# Allegro board MCU067B.brd (continued)
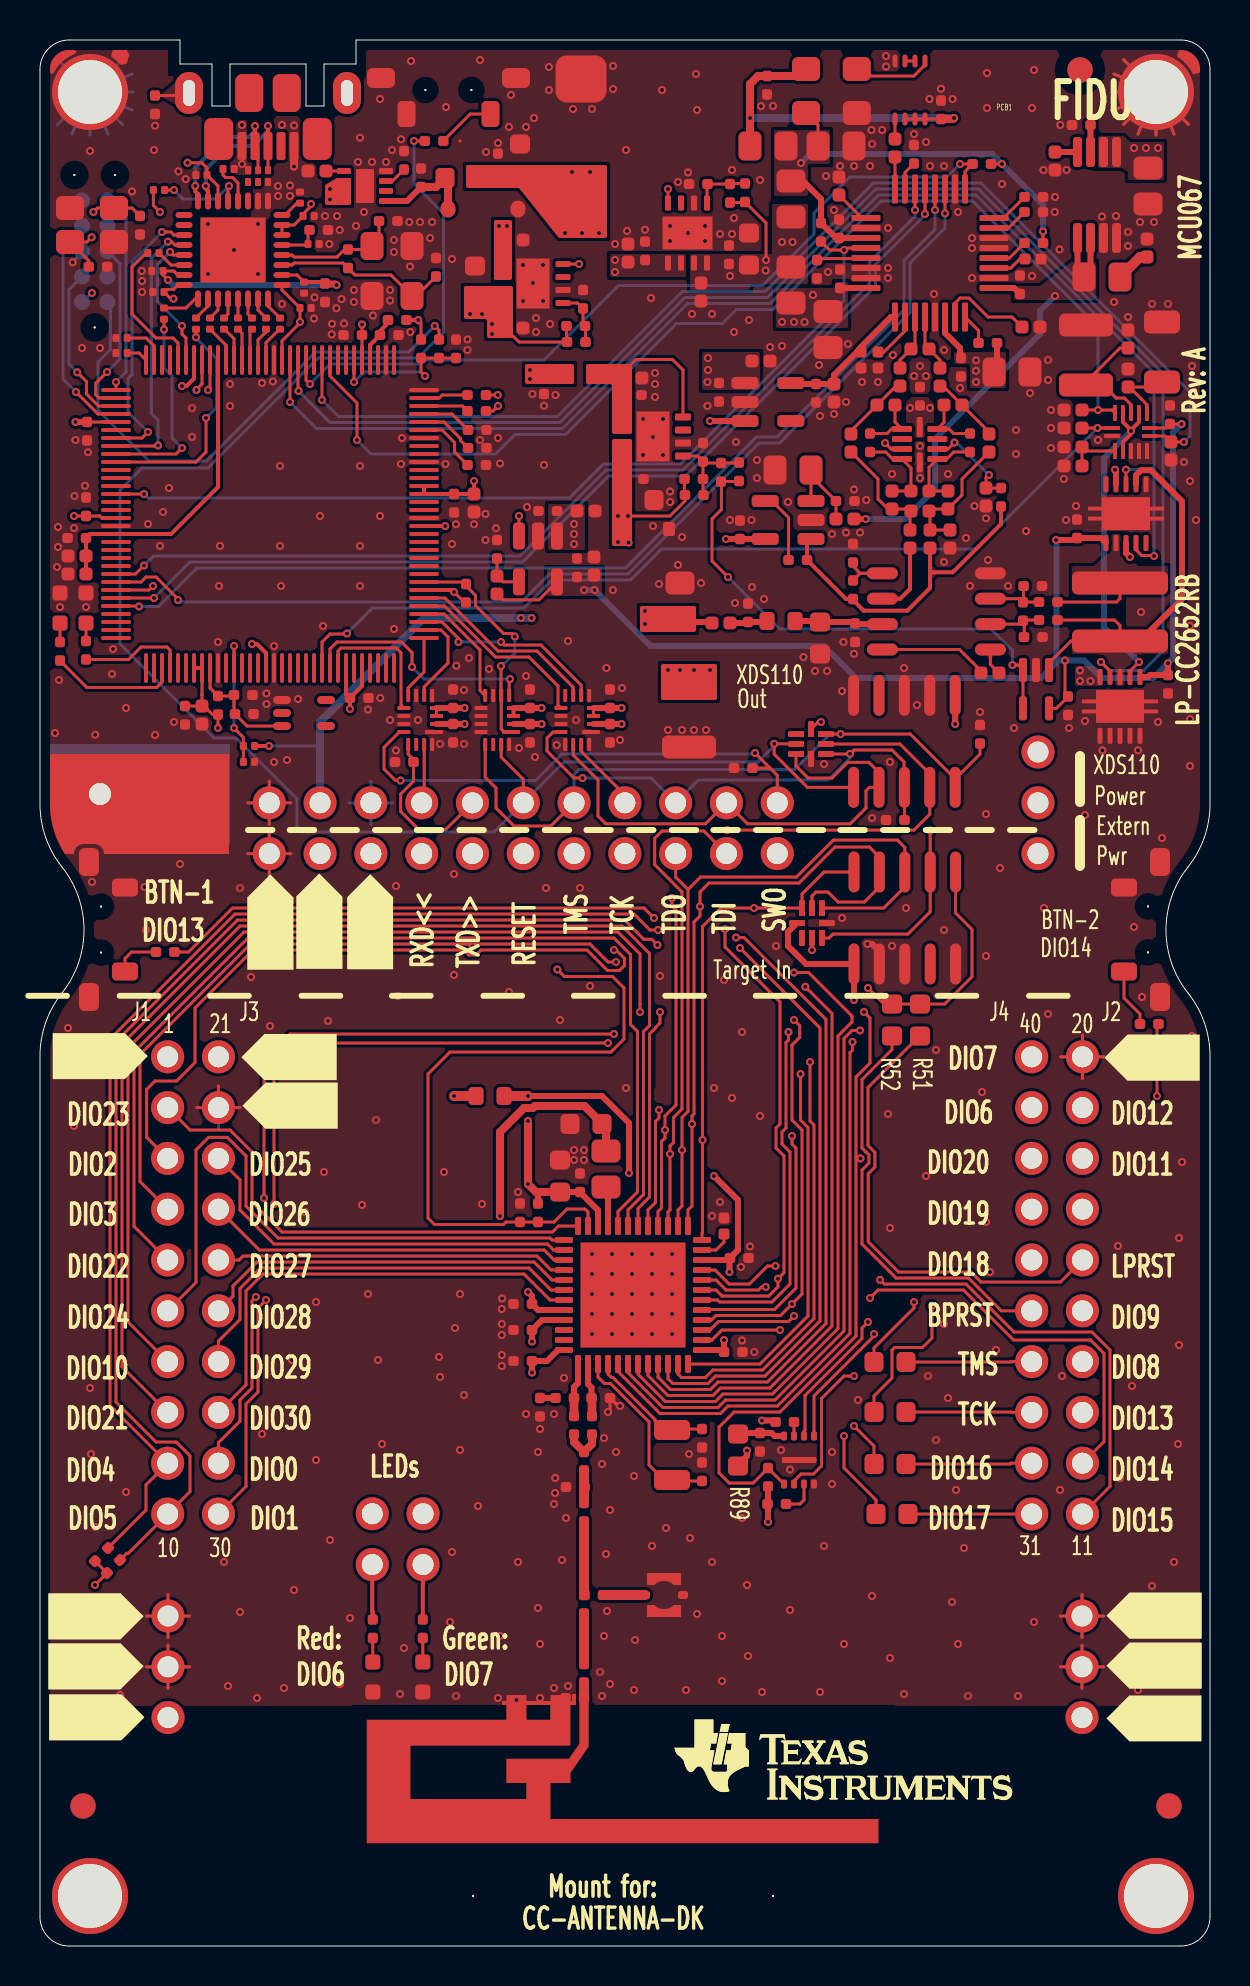
[diagram p0: board, top side]
## Routing (per net, layer and track width the routed paths; a pad name or vN(x,y) marks a point on that pad's centre or on a via; arc(x,y) is an arc through that point) (continued)
VBUS_DET: length 7.1
  TOP w0.15: v1(9.7,60.9) 10.17,60.43 R92.1 R93.1 ; v1(9.7,65) U5.12
  BOTTOM w0.15: v1(9.7,60.9) v1(9.7,65)
VDDC: length 15.8
  TOP w0.2: U5.87 8.9,72.95 6.55,70.6 U5.115 2.5,70.6 C43.1 C44.1 C45.1
VDDR: length 26.3
  TOP w0.3: U1.45 25.1,31.3 C106.1 v1(24.6,30.22) ; v1(24.6,28.67) C107.1 25.35,29.25 25.9,29.8 U1.48
  TOP w0.4: v1(23,36.5) 23,40.7 24.2,41.9 24.65,41.9 24.75,42 27.22,42 28.1,41.12 C105.1 28.3,40.9 L1.2
  L3 w0.4: 23.63,31.2 v1(24.6,30.22) ; 23.63,31.2 23.63,29.65 v1(24.6,28.67) ; 23.63,31.2 23.63,35.87 v1(23,36.5)
VDDS: length 43.5
  TOP w0.3: v1(24.4,32.7) 24.6,32.5 C102.1 24.9,31.8 U1.44 ; U1.13 34.1,29.8 C99.1 v1(34.2,30.3) ; R1.2 24.9,37.6 24.8,37.7 ; 25.9,37.7 C103.1 C104.1 27,37.69 27.9,36.79 U1.34 ; v1(29.45,38.65) 29.45,41.15 28.1,42.5 v1(24.4,42.5) ; 34.47,34.43 v1(34.47,33.7) ; 34.47,34.43 C101.1 34.9,34.8 34.9,37.3 v1(33.7,38.5) ; 34.47,34.43 34.35,34.3 U1.22
  TOP w0.4: 25.9,37.7 24.8,37.7 v1(24.4,38.1) v1(24.4,41.25)
  TOP w0.5: FL1.1 v1(24.4,42.5)
  L3 w0.3: v1(33.7,38.5) 30.18,38.5 30.03,38.65 v1(29.45,38.65) ; v1(34.47,33.7) 34.2,33.43 v1(34.2,30.3) ; v1(24.4,32.7) v1(24.4,38.1)
  L3 w0.4: v1(24.4,41.25) v1(24.4,42.5)
BP_RESET: length 21.2
  TOP w0.15: J2.11 48.07,31.76 46.93,32.9 46.93,32.9 46.43,33.4 42.8,33.4 41.1,35.1 41.1,38.8 41.44,39.15 41.44,39.56 41.3,39.7 41.3,39.7 41.1,39.9 41.1,43.32 42.6,44.82 R52.1
DCDC_SW: length 2
  TOP w0.3: L1.1 28.4,37.85 U1.33
DIO0: length 80.4
  TOP w0.15: U1.5 28.9,28.72 31,26.62 34.02,26.62 34.4,27 36.88,27 40.5,30.62 40.5,44.67 40.62,44.8 v1(40.62,45.2) ; v1(11.2,37.4) 11.2,44.3 12.5,45.6 v1(28.7,45.6) ; v1(10.79,32.45) 10.79,32.44 10.6,32.25 10.6,27.9 10,27.3 10,26.25 8.92,25.17 J1.18
  L3 w0.15: v1(11.2,37.4) 10.8,37 10.8,32.86 10.79,32.85 v1(10.79,32.45) ; v1(28.7,45.6) 29.1,45.6 29.5,45.2 v1(40.62,45.2)
DIO1: length 84.1
  TOP w0.15: v1(11.3,32.3) 10.9,31.9 10.9,27.7 10.3,27.1 10.3,22.98 J1.20 ; v1(41,45.78) 40.6,45.78 40.2,45.38 40.2,30.75 36.75,27.3 34.27,27.3 33.9,26.93 31.14,26.93 29.4,28.67 U1.6 ; v1(28.4,45.15) 12.55,45.15 11.7,44.3 v1(11.7,37.1)
  L3 w0.15: v1(41,45.78) 41.28,45.49 41.28,44.99 41,44.7 29.4,44.7 28.95,45.15 v1(28.4,45.15) ; v1(11.7,37.1) 11.3,36.7 v1(11.3,32.3)
DIO4_SCL: length 94.3
  TOP w0.15: U1.9 30.9,28.44 31.52,27.82 33.52,27.82 33.9,28.2 36.38,28.2 39.3,31.12 39.3,46.32 35.2,50.42 v1(34.8,50.42) ; R2.1 5.3,21.8 5.3,23.06 J1.17 3.5,27.02 3.5,45.1 3.5,45.35 9.75,51.6 29.7,51.6 30.5,50.8 v1(30.9,50.8)
  L3 w0.15: v1(34.8,50.42) 31.28,50.42 v1(30.9,50.8)
DIO5_SDA: length 93.9
  TOP w0.15: R3.1 4.34,19.64 4.42,19.64 J1.19 7.5,22.72 7.5,24.51 6.81,25.2 5.8,25.2 3.8,27.2 3.8,45.22 9.88,51.3 29.22,51.3 30.19,50.34 30.59,50.34 v1(30.87,50.05) ; U1.10 31.4,28.37 31.64,28.12 33.4,28.12 33.77,28.5 36.25,28.5 39,31.25 39,45.9 v1(35,49.9)
  L3 w0.15: v1(35,49.9) 34.52,49.9 34.37,50.05 v1(30.87,50.05)
DIO6_RLED: length 78.6
  TOP w0.15: U1.11 31.9,28.6 32.08,28.43 33.27,28.43 33.65,28.8 36.12,28.8 38.7,31.38 38.7,41.05 38.5,41.25 v1(38.5,44.2)
  L3 w0.15: J2.3 50.63,42.97 50.63,44.97 50,45.6 49.2,45.6 47.8,44.2 v1(38.5,44.2) 23.1,44.2 18.85,39.95 18.85,23.85 P6.2
DIO7_GLED: length 69.8
  TOP w0.15: U1.12 36,29.1 38.4,31.5 38.4,40.93 38.03,41.3 v1(38.03,43.6)
  L3 w0.15: J2.1 48.72,43.6 v1(38.03,43.6) 23,43.6 19.15,39.75 P6.4
DIO8_MISO: length 28.9
  TOP w0.15: v1(37,30.8) 34.1,30.8 34.02,30.72 33.6,30.3 U1.14 ; U4.2 37.7,23.25 38.05,23.6 38.68,23.6 39.07,24 39.07,27.38 40.2,28.5 v1(40.7,28.5)
  L3 w0.15: v1(37,30.8) 38.4,30.8 v1(40.7,28.5) 41.3,27.9 51.83,27.9 52.12,28.19 J2.14
DIO9_MOSI: length 26.5
  TOP w0.15: U1.15 33.5,30.8 33.93,31.22 37.43,31.22 v1(37.7,31.5) ; v1(41.7,30.6) 41.7,30.5 38.7,27.5 U4.5
  L3 w0.15: v1(37.7,31.5) 40.3,31.5 41.2,30.6 v1(41.7,30.6) 50.96,30.6 J2.12
DIO10_SCLK: length 86.7
  TOP w0.15: U4.6 38.2,25.74 38.25,25.79 38.25,27.53 41.1,30.38 41.1,30.9 v1(41.4,31.2) ; v1(30,46.7) 30,47.1 30,47.1 30,49.6 28.9,50.7 10.2,50.7 4.4,44.9 4.4,31.2 J1.13 ; v1(37.7,46.3) 37.99,46.01 37.99,45.43 37.6,45.05 37.6,41.3 38.1,40.8 38.1,32.6 v1(37.6,32.1) 37.03,31.53 33.8,31.53 33.57,31.3 U1.16
  L3 w0.15: v1(41.4,31.2) 40.5,32.1 v1(37.6,32.1) ; v1(37.7,46.3) 37.3,46.3 37.2,46.2 30.5,46.2 30.29,46.41 30.29,46.41 v1(30,46.7)
DIO11_CS: length 27.8
  TOP w0.15: U1.17 33.51,31.8 33.53,31.82 36.72,31.82 37.8,32.9 37.8,39.9 37.6,40.1 v1(37.6,40.5)
  L3 w0.15: J2.6 51,40.5 v1(37.6,40.5)
DIO12: length 35.7
  TOP w0.15: v1(37.43,45.7) 37.43,45.3 37.3,45.17 37.3,40.9 37.1,40.7 37.1,40.1 37.5,39.7 37.5,33.1 36.7,32.3 36.6,32.2 33.98,32.2 33.88,32.3 U1.18
  L3 w0.15: J2.4 50.93,43.11 50.93,45.27 50,46.2 38.54,46.2 38.04,45.7 v1(37.43,45.7)
DIO13_BTN1: length 77
  TOP w0.15: R56.2 7.43,49.7 9.62,51.9 30.2,51.9 v1(30.7,51.4) ; U1.19 33.8,32.8 34.1,32.5 36.44,32.5 36.9,32.96 v1(36.9,33.36) 37.2,33.66 37.2,39.5 36.8,39.9 36.8,40.9 37,41.1 37,47.2 34.25,49.95 v1(34.25,50.85)
  L3 w0.15: v1(30.7,51.4) 30.95,51.4 31.5,50.85 v1(34.25,50.85) ; J2.16 53.8,28.36 53.8,32.1 53,32.9 47.4,32.9 46.08,31.58 43.72,31.58 42.42,32.88 41.82,32.88 41.34,33.36 v1(36.9,33.36)
DIO14_BTN2: length 52.3
  TOP w0.15: v1(55.85,42.5) 55.85,46.03 R55.2 ; v1(41.5,32.4) 41.9,32.8 46.18,32.8 48.68,30.3 52.53,30.3 53.2,29.63 53.2,25.22 J2.18 ; v1(36.29,32.95) 36.3,32.95 36.3,32.94 36.06,32.94 35.93,32.8 34.3,32.8 34.3,32.8 33.8,33.3 U1.20
  L3 w0.15: v1(55.85,42.5) 55.85,26.6 53.39,24.14 J2.18 ; v1(36.29,32.95) 36.69,32.95 36.94,32.7 41.2,32.7 v1(41.5,32.4)
DIO15: length 31.6
  TOP w0.15: J2.20 53.5,22.98 53.5,29.8 52.6,30.7 48.7,30.7 46.3,33.1 42.21,33.1 v1(42,33.31) ; U1.21 33.75,33.8 34.45,33.1 35.47,33.1 36.37,34 v1(36.78,34)
  L3 w0.15: v1(42,33.31) 41.72,33.59 41.71,33.59 41.3,34 v1(36.78,34)
DIO16_TDO: length 58.9
  TOP w0.15: v1(40.7,26) 41.7,25 R48.2 ; U1.26 31.9,36.8 32.1,37 v1(32.1,39.8) 32.1,41.43 32.4,41.73 32.4,52.82 ; P4.6 31.78,53.44 32.4,52.82 ; 32.4,52.82 33.03,53.45 37.82,53.45 39.68,55.3 42.87,55.3 43.24,54.93 P5.6 43.24,52.95 42.19,51.9 CR8.5
  L3 w0.15: v1(32.1,39.8) 33.43,39.8 36.5,36.73 36.5,34.37 35.5,33.37 35.5,31.6 40.7,26.4 v1(40.7,26)
DIO17_TDI: length 69.1
  TOP w0.15: R49.2 41.8,22.3 40.2,23.9 v1(40.2,25.5) ; CR8.3 39.45,50.4 39.65,50.6 43.4,50.6 44.51,51.71 P5.8 v1(44.51,55.78) ; U1.27 31.4,36.7 31.5,36.8 v1(31.5,39.6) 31.5,40 31.68,40.18 31.68,41.43 32.1,41.85 32.1,52.7 30.73,54.07 30.73,55.38 31.1,55.75 33.19,55.75 P4.4
  L3 w0.15: P4.4 35.48,55.78 v1(44.51,55.78) ; v1(31.5,39.6) 32.18,38.93 33.88,38.93 36,36.8 36,34.3 35.1,33.4 35.1,31.3 40.2,26.2 v1(40.2,25.5)
DIO19_CTS: length 27
  TOP w0.15: v1(30.95,41.8) 30.95,41.4 30.78,41.22 30.78,37.18 30.4,36.8 U1.29
  L3 w0.15: J2.7 38.86,36.84 33.62,42.09 31.24,42.09 v1(30.95,41.8)
DIO20_FLASH_CS: length 62
  TOP w0.15: 40.8,39.4 40.8,30.5 37,26.7 34.71,26.7 33.95,25.94 33.95,23.66 34.46,23.15 35.66,23.15 36.4,23.89 36.4,23.9 ; 40.8,39.4 40.82,39.38 v1(41.02,39.38) ; 40.8,39.4 40.8,43.45 41.5,44.15 41.5,46.4 v1(41.2,46.7) ; 36.4,23.9 36.81,23.48 36.82,23.48 U4.1 ; 36.4,23.9 R11.1 ; U1.30 29.9,36.88 30.47,37.45 30.47,45.6 30.78,45.9 30.78,45.92 31,46.15 v1(31,46.7)
  L3 w0.15: J2.5 v1(41.02,39.38) ; v1(41.2,46.7) 40.8,46.7 40.67,46.82 31.53,46.82 31.4,46.7 v1(31,46.7)
DIO21: length 62.8
  TOP w0.15: U1.31 29.4,36.8 30.18,37.57 30.18,45.72 30.47,46.03 30.47,49.62 29.1,51 10,51 4.1,45.1 4.1,28.96 J1.15
DIO22: length 52.7
  TOP w0.15: U1.32 28.9,36.72 29.88,37.7 29.88,45.72 29.53,46.07 29.53,49.57 28.7,50.4 10.4,50.4 4.7,44.7 4.7,35.98 J1.9
DIO23_ANALOG: length 24.7
  TOP w0.15: U1.36 25.93,36 25.62,35.7 12.1,35.7 10.6,37.2 10.6,39.7 9.5,40.8 7.5,40.8 J1.3
DIO24_ANALOG: length 30.9
  TOP w0.15: J1.11 7.8,33.18 7.8,39.8 8.43,40.43 9.37,40.43 10.3,39.5 10.3,37 11.9,35.4 25.5,35.4 25.6,35.3 U1.37
DIO25_ANALOG: length 20.1
  TOP w0.15: J1.6 10,38.3 10,36.8 11.7,35.1 25.38,35.1 25.68,34.8 U1.38
DIO26_ANALOG: length 18.3
  TOP w0.15: U1.39 25.71,34.3 25.21,34.8 10.96,34.8 J1.8
DIO27_ANALOG: length 17.6
  TOP w0.15: U1.40 25.55,33.8 24.85,34.5 10.15,34.5 9.95,34.3 J1.10
DIO28_ANALOG: length 19
  TOP w0.15: J1.12 9.65,32.49 9.65,33 10.85,34.2 24.7,34.2 25.6,33.3 U1.41
DIO29_ANALOG: length 21.2
  TOP w0.15: J1.14 8.92,30.25 10,31.32 10,32.88 11.03,33.9 24.45,33.9 25.55,32.8 U1.42
DIO30_ANALOG: length 23.4
  TOP w0.15: U1.43 25.5,32.3 24.2,33.6 11.15,33.6 10.3,32.75 10.3,28.06 J1.16
ET_1V8: length 7
  TOP w0.3: U43.5 37.59,78.1 C158.1 C159.1 39.7,78.55 40.85,79.7 C128.1 41.05,79.95 42.55,81.45 U35.1
ET_3V3: length 7
  TOP w0.15: v1(36.3,84.3) 36.3,86.15 C153.1 35.23,87.18 R132.2 ; v1(42.26,75.15) 42.56,74.85 U37.3
  TOP w0.3: U41.5 C141.1 v1(34.3,70.35)
  vias: v1(34.5,83.5) v1(36.28,83.77) v1(37.1,85.2) v1(37.63,85.2) v1(43.5,76.9) v1(44.5,76.9) v1(54.7,89.9) v1(55.3,89.9) v1(55.9,89.9)
ET_5V0: length 4.4
  TOP w0.15: 38.95,66.25 C165.1 ; 40.67,66.2 C125.2
  TOP w0.3: FL4.1 38.95,66.25 ; 42.12,66.1 40.78,66.1 C125.2 ; C165.1 40.67,66.2
ET_AVDD: length 5.2
  TOP w0.3: U35.6 45.25,80.65 46,79.9 46,79.45 C119.1 ; C122.1 47.85,78.85 R98.1 ; U35.32 C120.1
  vias: v1(37.1,81.2) v1(37.7,81.2) v1(38.23,81.2) v1(38.65,82.55) v1(46.8,79.29) v1(46.8,78.76) v1(46.8,78.2)
ET_BYPASS: length 67
  TOP w0.15: v1(55.7,69.5) 55.68,69.52 55.08,69.52 54.8,69.81 U33.4 ; U33.8 v1(54.3,73.82) ; U5.78 v1(12.5,77.2)
  BOTTOM w0.15: v1(12.5,77.2) 13.82,75.88 26.13,75.88 32.38,82.12 36.51,82.12 37.61,83.22 37.61,83.23 41.93,87.55 46.8,87.55 55.7,78.65 55.7,73.8 ; 55.7,73.8 55.68,73.82 v1(54.3,73.82) ; 55.7,73.8 v1(55.7,69.5)
ET_CAL0: length 59.4
  TOP w0.15: U39.13 56.25,75.5 R129.1 v1(57.2,75.2) ; v1(14.1,77.3) U5.74
  BOTTOM w0.15: v1(14.1,77.3) 14.93,76.48 25.88,76.48 32.13,82.73 36.25,82.73 36.57,83.05 36.59,83.05 37.01,83.47 37.01,83.48 41.68,88.15 47.05,88.15 57.5,77.7 57.5,75.5 v1(57.2,75.2)
ET_CAL1: length 55.6
  TOP w0.15: R128.1 v1(52.9,76.8) 53.6,76.8 U39.5 ; v1(15.85,75.3) 15.85,77.15 14.5,78.5 U5.73
  BOTTOM w0.15: v1(52.9,76.8) 52.9,80.98 46.63,87.25 42.05,87.25 37.91,83.11 37.91,83.1 36.64,81.82 34.82,81.82 34.12,81.12 31.82,81.12 26.28,75.57 23.75,75.57 22.78,74.6 16.55,74.6 v1(15.85,75.3)
ET_CAL2: length 46
  TOP w0.15: U39.6 v1(52.88,75.9) R127.1 ; v1(15.35,65.62) 15.32,65.6 14.5,65.6 14.1,65.2 U5.23
  BOTTOM w0.15: v1(15.35,65.62) 16.62,66.9 24.2,66.9 25.6,68.3 29.53,68.3 31.08,69.85 46.83,69.85 v1(52.88,75.9)
ET_CALIBRATE: length 72.6
  TOP w0.15: v1(53.05,64.2) 53.5,63.75 U38.4 ; U5.77 12.9,77.78 v1(12.93,77.75)
  BOTTOM w0.15: v1(53.05,64.2) 53.47,63.77 55.18,63.77 56.15,64.75 56.15,78.62 46.93,87.85 41.8,87.85 37.31,83.36 37.31,83.35 36.71,82.75 36.7,82.75 36.53,82.58 36.53,82.57 36.38,82.43 32.25,82.43 26,76.18 14.5,76.18 v1(12.93,77.75)
ET_DVDD: length 23.4
  TOP w0.15: C117.1 38.9,91.05 Y5.1 ; R119.1 v1(50.15,85.73) ; R96.1 v1(48.1,89.1)
  TOP w0.3: U35.27 C116.1 39.8,85.4 R114.1 39.05,87.35 38.1,88.3 37.6,88.3 L333.2
  BOTTOM w0.3: v1(38.05,89.15) 38.5,89.6 47.6,89.6 v1(48.1,89.1) 50.15,87.05 v1(50.15,85.73)
ET_FB: length 25.2
  TOP w0.15: 34.07,73.23 34.93,73.23 R138.1 ; 34.07,73.23 34.07,71.82 33.6,71.35 33.6,69.25 v1(34.4,68.45) ; 34.07,73.23 C169.2 ; U45.4 U45.3 48.9,64.05 v1(48.62,64.05)
  BOTTOM w0.15: v1(34.4,68.45) 37,65.85 47.55,65.85 48.62,64.78 v1(48.62,64.05)
ET_PM2: length 41
  TOP w0.15: v1(13.5,78.1) 13.3,78.3 U5.76 ; v1(46,89.1) R96.2 46.25,88.72 U35.17
  BOTTOM w0.15: v1(13.5,78.1) 14.5,79.1 19.03,79.1 19.22,79.3 25.2,79.3 28.93,83.02 36.12,83.02 36.45,83.35 36.46,83.35 36.71,83.6 36.71,83.61 38.7,85.6 38.7,86.65 40.5,88.45 45.35,88.45 v1(46,89.1)
ET_PN3: length 45.6
  TOP w0.15: U35.28 40.3,84.9 v1(40.2,84.8) 39.48,84.8 R114.2 ; v1(5.2,72.6) U5.110
  BOTTOM w0.15: v1(5.2,72.6) 5.4,72.4 26.47,72.4 28.18,74.1 32.03,74.1 40.2,82.28 v1(40.2,84.8)
ET_SSICLK: length 49.4
  TOP w0.15: v1(5.2,69.02) 4.78,68.6 U5.120 ; v1(43.75,86.8) U35.22
  BOTTOM w0.15: v1(43.75,86.8) 43.75,86.48 41.47,84.2 41.47,83.12 32.15,73.8 28.3,73.8 24,69.5 5.68,69.5 v1(5.2,69.02)
ET_SSIDAT0: length 50.3
  TOP w0.15: v1(5.7,67.4) U5.123 ; v1(44.25,86.6) U35.21
  BOTTOM w0.15: v1(44.25,86.6) 44.25,86.55 41.78,84.08 41.78,83 32.28,73.5 28.43,73.5 24.12,69.2 7.5,69.2 v1(5.7,67.4)
ET_SSIDAT1: length 52.2
  TOP w0.15: U35.20 v1(44.75,86.8) ; v1(4.95,66.98) 4.93,67 U5.124
  BOTTOM w0.15: v1(44.75,86.8) 44.75,85.82 43.2,84.27 43.2,81.8 36.85,75.45 35.83,75.45 29.28,68.9 7.85,68.9 5.93,66.98 v1(4.95,66.98)
ET_SSIFSS: length 53.2
  TOP w0.15: v1(6.9,67.3) 6.9,67.35 5.8,68.45 5.3,68.45 5.05,68.2 U5.121 ; U35.19 45.25,86.63 v1(45.25,86.63)
  BOTTOM w0.15: v1(6.9,67.3) 7,67.2 24.07,67.2 25.47,68.6 29.4,68.6 35.95,75.15 36.97,75.15 43.5,81.68 43.5,84.15 45.25,85.9 45.25,86.63 v1(45.25,86.63)
ET_VDD: length 7.5
  TOP w0.15: R151.2 32.23,72.57 C172.1 32.25,72.25 31.5,71.5 29.45,71.5
  L3 w0.15: 48.82,59.7 P10.1 ; P10.1 49.9,60.78 ; P10.1 50.98,59.7
  vias: v1(28.9,71.5) v1(28.9,70.2) v1(29.4,71.5) v1(29.43,70.17) v1(31.4,63.8) v1(32,63.8) v1(32.7,63.8) v1(33.5,63.8)
ET_VREF: length 22.4
  TOP w0.3: U40.6 52.53,83.77 C146.1 51.88,83.77 U40.5 ; v1(41.29,71.35) R121.1 ; U35.9 48.7,82.9 C127.1
  BOTTOM w0.3: v1(41.29,71.35) 43.25,71.35 44.75,72.85 44.75,75.35 50,80.6 50,81.75 v1(50.75,82.5)
IRSTN: length 27.2
  TOP w0.15: v1(19.74,81) 19.95,80.79 R20.2
  BOTTOM w0.15: P8.10 3.52,82.05 3.52,79.82 2.9,79.2 2.9,76.8 5.45,74.25 8.33,74.25 13.78,79.7 18.44,79.7 v1(19.74,81)
ITCK: length 11.4
  TOP w0.15: U5.100 2.9,76.6 v1(1.8,77.7)
  BOTTOM w0.15: P8.4 1.15,85.06 1.15,78.35 v1(1.8,77.7)
ITDI: length 9
  TOP w0.15: U5.98 2.95,77.4 2.78,77.57 2.78,78.13 v1(3.35,78.7)
  BOTTOM w0.15: v1(3.35,78.7) 4.01,79.36 4.01,84.1 P8.8
ITDO: length 10.1
  TOP w0.15: v1(3.8,78.2) U5.97
  BOTTOM w0.15: P8.6 4.31,86.34 4.31,78.71 v1(3.8,78.2)
ITMS: length 8.2
  TOP w0.15: U5.99 2.93,77 2.32,77.6 2.32,78.22 v1(1.86,78.69)
  BOTTOM w0.15: P8.2 1.45,82.82 1.45,79.1 v1(1.86,78.69)
LP_RESET: length 23.7
  TOP w0.15: R51.1 43.97,45.5 41.4,42.93 41.4,40.03 41.75,39.68 41.75,38.94 41.41,38.61 41.41,35.21 42.93,33.7 46.55,33.7 47.05,33.2 51.02,33.2 J2.10
LS_VDD: length 12.1
  TOP w0.15: CR7.8 38.9,61.2 v1(39.05,61.2)
  TOP w0.3: v1(53.75,73.82) 53.8,73.77 U33.9 ; U33.3 54.3,69.65 v1(54.5,69.45) ; U9.2 C72.1 v1(29.08,61.1) ; v1(25.08,61.1) C70.1 U10.2 ; v1(21.23,61.1) C74.1 U8.2 ; P7.1 v1(45.76,61.1)
  L3 w0.15: P10.2 50.98,57.16 ; P10.2 49.9,56.08 ; P10.2 48.82,57.16 ; P10.2 49.9,58.24
SW_VDD: length 63.3
  TOP w0.15: R134.2 23.14,67.31 24.95,67.31 U44.5 ; v1(51.25,64.28) 51.25,62.62 C170.2 51.4,62.46 50.82,61.88 U45.5 ; v1(57.08,76.1) C139.1 56.3,75.9 U39.14
  TOP w0.3: v1(50.8,70.3) 51.75,70.3 C162.1 53.05,70.4 U33.1 ; v1(56.4,64.14) C140.1 55.5,63.55 55.4,63.45 U38.1
  BOTTOM w0.3: 50.82,64.28 v1(51.25,64.28) 52.21,64.28 53.09,63.4 55.66,63.4 v1(56.4,64.14) 56.65,64.39 56.65,75.67 v1(57.08,76.1) ; 50.82,64.28 50.82,64.17 50.05,63.4 40.8,63.4 39.2,65 30.53,65 v1(27.73,67.8) v1(27.2,67.8) ; 50.82,64.28 50.82,70.28 v1(50.8,70.3)
TARGET_VDD: length 4.3
  BOTTOM w0.15: 16.54,56.08 P4.17 ; P4.17 15.47,57.16 ; P4.17 16.54,58.24 ; P4.17 17.62,57.16
  vias: v1(52,63.78) v1(52,63.25) v1(52.53,63.25)
USB1V8: length 13.2
  TOP w0.15: U15.15 6.89,83.55 6.69,83.75 C84.1 6.15,83.55 v1(6.4,83.3) ; C83.1 12.85,83.55 U15.26
  TOP w0.2: C85.2 14.17,83.2 C83.1
  TOP w0.3: C85.2 14.73,83.12 14.8,83.05 v1(14.83,83.05)
  BOTTOM w0.3: v1(14.83,83.05) 6.65,83.05 v1(6.4,83.3)
USB_VBUS:
  vias: v1(10.1,91.05) v1(10.1,89.1) v1(14.5,87.85) v1(14.5,87.32)
USBA1V8: length 2.1
  TOP w0.15: U15.29 13.35,85.05 C87.1 13.4,85.72 C86.2
USBCLK: length 7.2
  TOP w0.15: R148.2 5.3,84.65 4.6,83.95 4.6,81.6 5.8,80.4 6.65,80.4 6.9,80.15 U5.92
USBD0: length 1.8
  TOP w0.15: R140.2 11.97,80.84 11.3,80.17 U5.81
USBD1: length 1.7
  TOP w0.15: R141.2 11.3,80.7 10.9,80.3 U5.82
USBD2: length 1.6
  TOP w0.15: R142.2 10.5,80.74 U5.83
USBD3: length 1.6
  TOP w0.15: R143.2 10.1,80.64 U5.84
USBD4: length 1.8
  TOP w0.15: R144.2 9.22,80.84 9.7,80.37 U5.85
USBD5: length 1.9
  TOP w0.15: R145.2 9.3,80.04 U5.86
USBD6: length 11.5
  TOP w0.15: U5.106 7.8,74.2 8.3,74.7 v1(8.3,76.4) ; R146.2 v1(7.8,80.44)
  BOTTOM w0.15: v1(8.3,76.4) 8.82,76.93 8.82,79.38 7.8,80.4 v1(7.8,80.44)
USBD7: length 10.2
  TOP w0.15: U5.105 6.8,74.6 v1(7.1,74.9) ; R147.2 v1(6.2,80.82)
  BOTTOM w0.15: v1(7.1,74.9) 6.6,75.4 6.6,78.5 6.2,78.9 v1(6.2,80.82)
USBDIR: length 13.7
  TOP w0.15: U15.12 6.75,85.05 6.58,85.22 v1(6.4,85.22) ; v1(5.9,75.03) 5.87,75 U5.104
  BOTTOM w0.15: v1(5.9,75.03) 5.9,76.3 5.56,76.63 5.56,84.38 v1(6.4,85.22)
USBDM: length 8
  TOP w0.15: CR6.5 10.9,89.85 J6.2
  TOP w0.2: v1(7.76,88) 7.76,87.74 7.9,87.6 U15.8 ; v1(10.75,91) J6.2
  BOTTOM w0.2: v1(7.76,88) 7.76,88.93 9.29,90.46 10.46,90.46 10.75,90.75 v1(10.75,91)
USBDP: length 8
  TOP w0.15: CR6.4 J6.3
  TOP w0.2: v1(11.4,91) J6.3 ; v1(8.29,88) 8.29,87.86 8.4,87.75 U15.7
  BOTTOM w0.2: v1(8.29,88) 8.29,88.82 9.48,90.01 10.65,90.01 11.4,90.76 v1(11.4,91)
USBNXT: length 14
  TOP w0.15: U5.103 5.1,75.4 v1(5.4,75.7) ; U15.11 6.7,85.55 6.55,85.7 v1(6.1,85.7)
  BOTTOM w0.15: v1(6.1,85.7) 4.61,84.21 4.61,78.58 4.4,78.38 4.4,76.7 v1(5.4,75.7)
USBSTP: length 7
  TOP w0.15: v1(7.1,81) 7.1,80.6 7.3,80.4 U5.91 ; U15.13 6.65,84.55 v1(6.5,84.7)
  BOTTOM w0.15: v1(7.1,81) 5.86,82.24 5.86,84.06 v1(6.5,84.7)
VCM: length 16.3
  TOP w0.2: U41.1 38.35,70.15 R131.1 40.3,67.35 R100.1 40.65,67.3 41.18,66.76 43.37,66.76 44.5,67.9 44.5,68.69 ; 44.5,68.69 R109.2 ; 44.5,68.69 45.64,68.69 48.05,71.1 R111.2
WMCU_RESET: length 69.4
  TOP w0.15: v1(25.87,48.82) 26.22,48.47 28.62,48.47 29.2,47.9 29.2,45.35 28.55,44.7 20.5,44.7 19.4,43.6 19.4,36.4 19.72,36.07 23.18,36.07 23.3,36.2 C20.1 R1.1 25.7,36.2 26.35,36.85 27.25,36.85 27.4,36.7 U1.35 ; P5.10 45.78,51.65 46.6,50.83 46.6,48.46 45.24,47.1 R51.2 R52.2 42.2,47.1 v1(41.4,47.9) ; CR8.2 v1(38.6,49.8)
  L3 w0.15: v1(41.4,47.9) 39.5,49.8 v1(38.6,49.8) 38.25,49.45 30.07,49.45 29.2,50.32 28.59,50.32 27.09,48.82 v1(25.87,48.82) 24.16,50.53 P4.12
WMCU_RXD: length 92
  TOP w0.15: J1.5 5.33,40.43 5.33,42.83 5.75,43.25 6.83,43.25 7.75,44.17 7.75,46.9 10.65,49.8 21.2,49.8 21.45,49.55 21.8,49.55 22.05,49.8 27.35,49.8 28.38,48.78 28.98,48.78 29.22,49.02 29.22,49.38 28.8,49.8 v1(28.7,49.8) ; U1.7 29.9,28.59 31.27,27.22 33.77,27.22 34.15,27.6 36.62,27.6 39.9,30.88 39.9,45.5 40.6,46.2 40.6,46.5 38.43,48.67 v1(37.7,48.67)
  L3 w0.15: P4.16 20.26,55.8 22.4,55.8 22.9,55.3 22.9,51.1 25.6,48.4 27.3,48.4 v1(28.7,49.8) 29.3,49.8 30,49.1 37.27,49.1 v1(37.7,48.67)
WMCU_SWO: length 45.3
  TOP w0.15: v1(31.6,52.4) 31.6,52 31.8,51.8 31.8,42.05 31.25,41.5 v1(31.25,40.8) 31.25,40.4 31.07,40.22 31.07,36.9 30.9,36.72 U1.28
  L3 w0.15: v1(31.6,52.4) 35.67,52.4 36.86,53.59 P4.2 ; v1(31.25,40.8) 31.97,41.53 33.57,41.53 39.95,35.15 41.96,35.15 42.81,34.3 J2.9
WMCU_TCK: length 61.3
  TOP w0.15: R47.2 41.7,27.5 42.6,28.4 42.6,29.79 42.73,29.93 44.13,29.93 44.6,30.4 v1(44.6,32) ; CR8.6 38.6,52.5 38.8,52.7 39.4,52.7 39.9,52.2 41.22,52.2 41.97,52.95 P5.4 41.97,54.45 41.47,54.95 39.75,54.95 37.95,53.15 33.45,53.15 33,52.7 v1(33,51.97) 33,51.5 32.7,51.2 32.7,41.6 32.6,41.5 v1(32.6,41.1) 32.6,37 32.4,36.8 U1.25
  L3 w0.15: v1(44.6,32) 41.75,34.85 39.65,34.85 33.4,41.1 v1(32.6,41.1) ; P4.8 29.97,53.89 29.97,53.41 31.41,51.97 v1(33,51.97)
WMCU_TMS: length 53.3
  TOP w0.15: U1.24 33.1,35.65 33.13,35.68 v1(33.13,40.3) 33.13,50.98 34.05,51.9 v1(35.7,51.9) CR8.7 38.1,52.6 39.2,53.7 P5.2 ; v1(43.7,32.2) 43.7,31.9 41.7,29.9 R46.2
  L3 w0.15: P4.10 27.75,53.57 29.23,53.57 31.53,51.27 35.07,51.27 v1(35.7,51.9) ; v1(33.13,40.3) 33.77,40.3 39.62,34.45 41.64,34.45 43.41,32.68 43.41,32.49 v1(43.7,32.2)
WMCU_TXD: length 78.8
  TOP w0.15: U1.8 30.4,28.52 31.39,27.53 33.65,27.53 34.02,27.9 36.5,27.9 39.6,31 39.6,46.63 v1(38.26,47.96) ; J1.7 5,38.22 5,44.57 10.53,50.1 21.5,50.1 v1(21.62,49.97) 21.75,50.1 27.5,50.1 28.4,49.2 v1(28.8,49.2)
  L3 w0.15: v1(28.8,49.2) 29.2,49.2 30.6,47.8 37.7,47.8 37.86,47.96 v1(38.26,47.96) ; P4.14 v1(21.62,49.97)
WMCU_VDD: length 181.9
  TOP w0.15: v1(2.75,18.05) 3.35,18.65 2.75,19.25
  TOP w0.3: R89.2 34.9,24.05 35.35,24.5 v1(35.35,24.78) ; R60.2 36.7,26.28 v1(36.1,26.28) ; v1(36.4,21.2) 36.4,22.08 R59.2 36.4,22.12 R11.2 ; v1(40.7,47.3) P5.1 38.3,49.1 37.4,50 37.4,50.7 CR8.8
  TOP w0.5: v1(20.7,42.5) FL1.2
  L3 w0.3: 38.75,24.78 38.27,24.3 35.82,24.3 v1(35.35,24.78) ; 38.75,24.78 37.25,26.28 v1(36.1,26.28) ; 38.75,24.78 40.56,22.96 ; 40.56,22.96 38.8,21.2 v1(36.4,21.2) ; 40.56,22.96 P1.1